# KiCad board data-center-rdimm-ddr4-tester.kicad_pcb (continued)
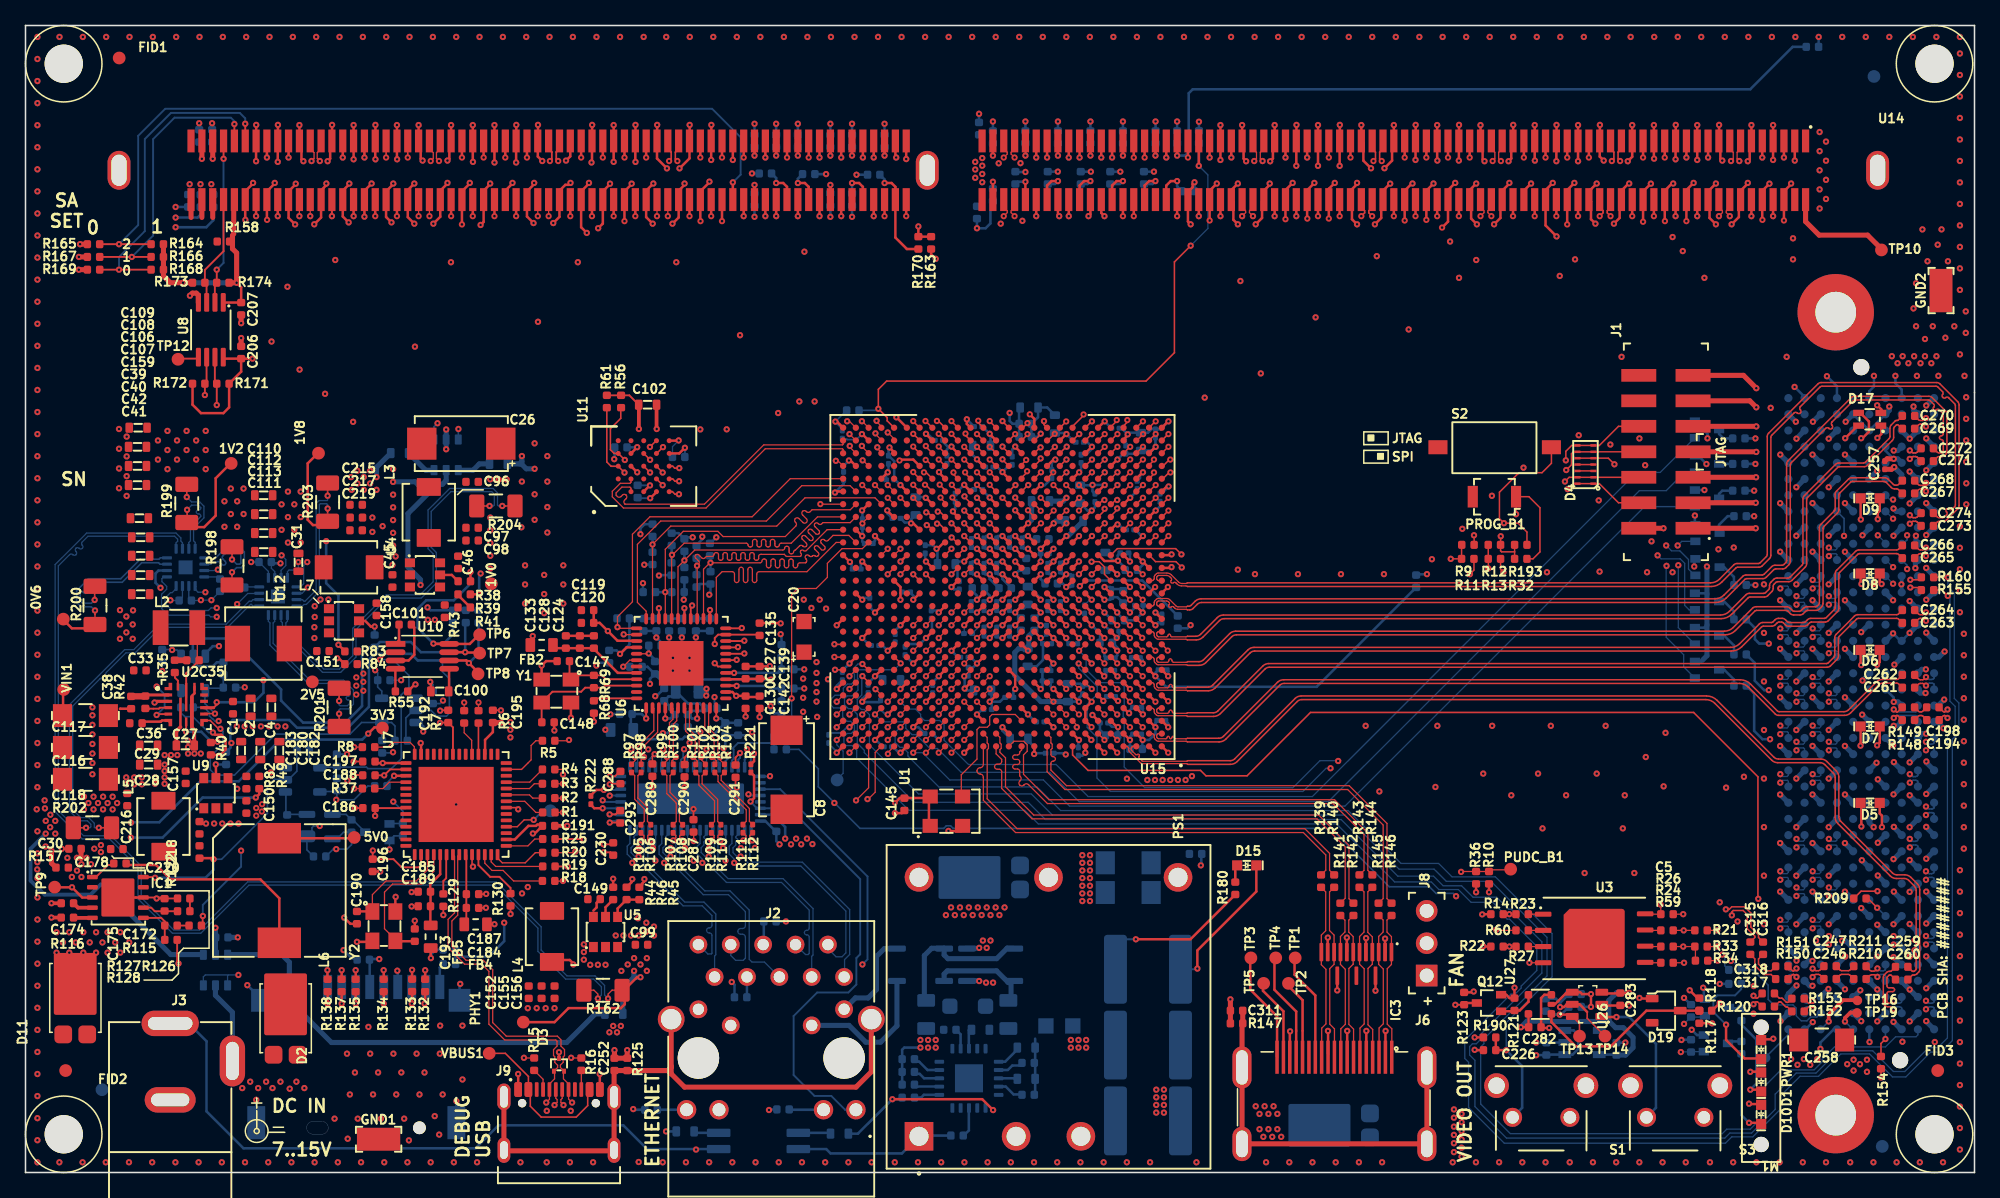
[diagram p0: board, top side]
## Routing (per net, layer and track width the routed paths; a pad name or vN(x,y) marks a point on that pad's centre or on a via; arc(x,y) is an arc through that point) (continued)
  In2.Cu w0.13: v1(149.08,23.63) 148.96,23.51 arc(148.89,23.47) 148.82,23.45 146.99,23.45 arc(146.8,23.49) 146.64,23.6 141.89,28.36 arc(141.67,28.5) 141.41,28.55 137.12,28.55 arc(136.93,28.59) 136.77,28.7 135.8,29.67 arc(135.69,29.83) 135.65,30.02 135.65,31.28 arc(135.6,31.54) 135.46,31.76 134.3,32.92 arc(134.19,33.08) 134.15,33.27 134.15,34.78 arc(134.1,35.04) 133.96,35.26 132.8,36.42 arc(132.69,36.58) 132.65,36.77 132.65,37.08 arc(132.6,37.34) 132.46,37.56 129.64,40.38 arc(129.42,40.53) 129.16,40.58 97.02,40.58 arc(96.76,40.53) 96.54,40.38 94.91,38.75 arc(94.75,38.64) 94.55,38.6 91.15,38.6
  Bottom w0.122: v1(149.08,23.63) 149.21,23.5 arc(149.27,23.46) 149.35,23.45 149.53,23.45 arc(149.6,23.46) 149.67,23.5 149.69,23.52 arc(149.71,23.55) 149.71,23.59 J5.A11
GTX_RX3_P: length 75.2
  Top w0.127: v2(86.64,38.94) U15.G4
  In2.Cu w0.082: v2(86.64,38.94) 86.9,38.94 arc(86.94,38.93) 86.97,38.91 87.02,38.86 arc(87.04,38.83) 87.05,38.79 87.05,38.69 arc(87.06,38.61) 87.11,38.55 87.23,38.42 arc(87.3,38.38) 87.37,38.37 88.14,38.37 arc(88.18,38.36) 88.21,38.34 88.43,38.12 arc(88.5,38.08) 88.57,38.06 89.91,38.06 arc(89.98,38.08) 90.04,38.12 90.26,38.34 arc(90.3,38.36) 90.33,38.37 90.99,38.37 arc(91.07,38.36) 91.14,38.31 91.15,38.3
  In2.Cu w0.13: v1(149.08,22.97) 148.96,23.09 arc(148.89,23.13) 148.82,23.15 146.94,23.15 arc(146.68,23.2) 146.46,23.35 141.71,28.1 arc(141.55,28.21) 141.35,28.25 137.07,28.25 arc(136.81,28.3) 136.59,28.44 135.54,29.49 arc(135.4,29.71) 135.35,29.97 135.35,31.23 arc(135.31,31.42) 135.2,31.58 134.04,32.74 arc(133.9,32.96) 133.85,33.22 133.85,34.73 arc(133.81,34.92) 133.7,35.08 132.54,36.24 arc(132.4,36.46) 132.35,36.72 132.35,37.03 arc(132.31,37.22) 132.2,37.38 129.46,40.13 arc(129.3,40.23) 129.1,40.27 97.07,40.27 arc(96.88,40.23) 96.72,40.13 95.09,38.49 arc(94.87,38.35) 94.61,38.3 91.15,38.3
  Bottom w0.122: v1(149.08,22.97) 149.21,23.1 arc(149.27,23.14) 149.35,23.16 149.54,23.16 arc(149.62,23.14) 149.69,23.1 arc(149.71,23.07) 149.71,23.03 J5.A10
GTX_RX4_N: length 72.9
  Top w0.127: v2(87.64,40.94) U15.J3
  In2.Cu w0.082: v2(87.64,40.94) 87.4,40.94 arc(87.36,40.93) 87.33,40.91 87.25,40.83 arc(87.23,40.8) 87.22,40.76 87.22,40.72 arc(87.23,40.68) 87.25,40.65 87.33,40.57 arc(87.36,40.55) 87.4,40.54 88.13,40.54 arc(88.2,40.53) 88.26,40.49 88.36,40.39 arc(88.39,40.37) 88.43,40.36 88.81,40.36 arc(88.92,40.4) 88.96,40.51 88.96,40.56 arc(89,40.67) 89.11,40.71 arc(89.22,40.67) 89.26,40.56 89.26,40.51 arc(89.3,40.4) 89.41,40.36 90.07,40.36 arc(90.11,40.37) 90.14,40.39 90.23,40.48 arc(90.3,40.52) 90.37,40.54 91,40.54 arc(91.08,40.55) 91.14,40.59 91.15,40.6
  In2.Cu w0.13: 91.15,40.6 93.78,40.6 arc(93.97,40.64) 94.13,40.75 95.06,41.68 arc(95.28,41.83) 95.54,41.88 130.28,41.88 arc(130.54,41.83) 130.76,41.68 133.96,38.49 arc(134.1,38.27) 134.15,38.01 134.15,37.27 arc(134.19,37.08) 134.3,36.92 135.46,35.76 arc(135.6,35.54) 135.65,35.28 135.65,34.1 arc(135.69,33.9) 135.8,33.74 137.02,32.52 arc(137.18,32.42) 137.37,32.38 142.33,32.38 arc(142.59,32.33) 142.81,32.18 146.31,28.68 arc(146.47,28.57) 146.66,28.53 148.82,28.53 arc(148.89,28.55) 148.96,28.59 v1(149.08,28.71)
  Bottom w0.122: 149.35,28.53 149.53,28.53 ; 149.35,28.53 arc(149.27,28.54) 149.21,28.58 ; 149.35,28.53 arc(149.27,28.54) 149.21,28.58 ; 149.53,28.53 arc(149.6,28.54) 149.67,28.58 ; 149.53,28.53 arc(149.6,28.54) 149.67,28.58 ; v1(149.08,28.71) 149.21,28.58 ; 149.67,28.58 149.69,28.6 ; 149.69,28.6 arc(149.71,28.63) 149.71,28.67 ; 149.69,28.6 arc(149.71,28.63) 149.71,28.67 ; 149.71,28.67 149.71,29.02
GTX_RX4_P: length 72.7
  Top w0.127: v2(86.64,40.94) U15.J4
  In2.Cu w0.082: 91.15,40.3 91.14,40.31 arc(91.08,40.35) 91,40.36 90.4,40.36 arc(90.36,40.36) 90.33,40.33 90.24,40.24 arc(90.18,40.2) 90.11,40.19 88.39,40.19 arc(88.32,40.2) 88.26,40.24 88.16,40.34 arc(88.13,40.36) 88.09,40.37 87.37,40.37 arc(87.3,40.38) 87.23,40.42 87.11,40.55 arc(87.06,40.61) 87.05,40.69 87.05,40.79 arc(87.04,40.83) 87.02,40.86 86.97,40.91 arc(86.94,40.93) 86.9,40.94 v2(86.64,40.94)
  In2.Cu w0.13: 91.15,40.3 93.83,40.3 arc(94.09,40.35) 94.31,40.49 95.24,41.43 arc(95.4,41.53) 95.6,41.57 130.23,41.57 arc(130.42,41.53) 130.58,41.43 133.7,38.31 arc(133.81,38.15) 133.85,37.95 133.85,37.14 arc(133.89,36.95) 133.99,36.79 135.2,35.58 arc(135.31,35.42) 135.35,35.23 135.35,34.04 arc(135.4,33.78) 135.54,33.56 136.84,32.27 arc(137.06,32.12) 137.32,32.07 142.28,32.07 arc(142.47,32.03) 142.63,31.93 146.13,28.43 arc(146.35,28.28) 146.61,28.23 148.82,28.23 arc(148.89,28.21) 148.96,28.17 v1(149.08,28.05)
  Bottom w0.122: 149.35,28.24 149.54,28.24 ; 149.35,28.24 arc(149.27,28.22) 149.21,28.18 ; 149.35,28.24 arc(149.27,28.22) 149.21,28.18 ; 149.54,28.24 arc(149.62,28.22) 149.69,28.18 ; 149.54,28.24 arc(149.62,28.22) 149.69,28.18 ; 149.71,28.11 J5.A14 ; 149.71,28.11 arc(149.71,28.15) 149.69,28.18 ; 149.71,28.11 arc(149.71,28.15) 149.69,28.18 ; v1(149.08,28.05) 149.21,28.18
GTX_RX5_N: length 70.5
  Top w0.127: v2(87.64,42.94) U15.L3
  In2.Cu w0.082: 91.15,42.5 91.14,42.49 arc(91.08,42.45) 91,42.44 89.56,42.44 arc(89.43,42.49) 89.38,42.61 89.38,42.63 arc(89.33,42.75) 89.21,42.8 arc(89.08,42.75) 89.03,42.63 89.03,42.61 arc(88.98,42.49) 88.86,42.44 88.45,42.44 arc(88.41,42.44) 88.38,42.47 88.36,42.49 arc(88.3,42.53) 88.23,42.54 87.4,42.54 arc(87.36,42.55) 87.33,42.57 87.25,42.65 arc(87.23,42.68) 87.22,42.72 87.22,42.76 arc(87.23,42.8) 87.25,42.83 87.33,42.91 arc(87.36,42.93) 87.4,42.94 v2(87.64,42.94)
  In2.Cu w0.13: 91.15,42.5 91.95,42.5 arc(91.98,42.51) 92.02,42.53 92.54,43.05 arc(92.62,43.11) 92.72,43.13 131.16,43.13 arc(131.42,43.08) 131.64,42.93 135.46,39.11 arc(135.6,38.89) 135.65,38.63 135.65,37.82 arc(135.69,37.63) 135.8,37.47 136.97,36.3 arc(137.13,36.19) 137.32,36.15 142.11,36.15 arc(142.37,36.1) 142.59,35.96 144.64,33.9 arc(144.72,33.78) 144.75,33.63 144.75,33.3 arc(144.77,33.22) 144.81,33.15 144.9,33.06 arc(144.97,33.02) 145.05,33 147.05,33 arc(147.13,33.02) 147.2,33.06 147.64,33.5 arc(147.76,33.59) 147.9,33.61 148.82,33.61 arc(148.89,33.63) 148.96,33.67 v1(149.08,33.79)
  Bottom w0.122: J5.A19 149.71,33.75 arc(149.71,33.71) 149.69,33.68 149.67,33.66 arc(149.6,33.62) 149.53,33.61 149.35,33.61 arc(149.27,33.62) 149.21,33.66 v1(149.08,33.79)
GTX_RX5_P: length 70.3
  Top w0.127: v2(86.64,42.94) U15.L4
  In2.Cu w0.082: 91.15,42.2 91.14,42.21 arc(91.08,42.25) 91,42.26 88.42,42.26 arc(88.35,42.28) 88.28,42.32 88.26,42.34 arc(88.23,42.36) 88.19,42.37 87.37,42.37 arc(87.3,42.38) 87.23,42.42 87.11,42.55 arc(87.06,42.61) 87.05,42.69 87.05,42.79 arc(87.04,42.83) 87.02,42.86 86.97,42.91 arc(86.94,42.93) 86.9,42.94 v2(86.64,42.94)
  In2.Cu w0.13: v1(149.08,33.13) 148.96,33.25 arc(148.89,33.29) 148.82,33.31 147.96,33.31 arc(147.88,33.29) 147.82,33.25 147.37,32.81 arc(147.25,32.73) 147.11,32.7 144.99,32.7 arc(144.85,32.73) 144.73,32.81 144.56,32.98 arc(144.48,33.1) 144.45,33.24 144.45,33.58 arc(144.43,33.66) 144.39,33.72 142.41,35.7 arc(142.25,35.81) 142.05,35.85 137.27,35.85 arc(137.01,35.9) 136.79,36.04 135.54,37.29 arc(135.4,37.51) 135.35,37.77 135.35,38.58 arc(135.31,38.77) 135.2,38.93 131.46,42.68 arc(131.3,42.78) 131.1,42.82 92.77,42.82 arc(92.74,42.82) 92.72,42.8 92.19,42.28 arc(92.1,42.22) 92,42.2 91.15,42.2
  Bottom w0.122: v1(149.08,33.13) 149.21,33.26 arc(149.27,33.3) 149.35,33.32 149.54,33.32 arc(149.62,33.3) 149.69,33.26 arc(149.71,33.23) 149.71,33.19 J5.A18
GTX_RX6_N: length 76.8
  Top w0.127: v2(87.64,44.94) U15.N3
  In2.Cu w0.082: 91.18,45.27 91.17,45.28 arc(91.11,45.32) 91.03,45.34 88.76,45.34 arc(88.69,45.31) 88.66,45.24 88.66,45.22 arc(88.63,45.15) 88.56,45.12 arc(88.49,45.15) 88.46,45.22 88.46,45.24 arc(88.43,45.31) 88.36,45.34 arc(88.29,45.31) 88.26,45.24 88.26,45.22 arc(88.23,45.15) 88.16,45.12 arc(88.09,45.15) 88.06,45.22 88.06,45.24 arc(88.03,45.31) 87.96,45.34 87.4,45.34 arc(87.36,45.33) 87.33,45.31 87.25,45.23 arc(87.23,45.2) 87.22,45.16 87.22,45.12 arc(87.23,45.08) 87.25,45.05 87.33,44.97 arc(87.36,44.95) 87.4,44.94 v2(87.64,44.94)
  In2.Cu w0.13: 91.18,45.27 91.83,45.27 arc(91.9,45.26) 91.97,45.22 92.88,44.3 arc(93.1,44.16) 93.36,44.11 131.95,44.11 arc(132.14,44.07) 132.3,43.96 136.41,39.84 arc(136.63,39.7) 136.89,39.65 142.71,39.65 arc(142.79,39.63) 142.86,39.59 143.27,39.18 arc(143.39,39.1) 143.53,39.07 144.9,39.07 arc(144.98,39.05) 145.05,39.01 145.89,38.16 arc(145.96,38) 145.89,37.85 145.88,37.84 arc(145.82,37.68) 145.88,37.52 arc(146.04,37.45) 146.2,37.52 146.21,37.53 arc(146.37,37.59) 146.53,37.53 146.85,37.21 arc(146.97,37.13) 147.11,37.1 148.45,37.1 arc(148.53,37.08) 148.6,37.04 148.78,36.86 arc(148.84,36.81) 148.92,36.8 149.32,36.8 arc(149.4,36.78) 149.47,36.74 149.61,36.59 arc(149.66,36.53) 149.67,36.45 149.67,31.8 arc(149.66,31.74) 149.63,31.69 149.53,31.59 arc(149.42,31.55) 149.31,31.59 arc(149.21,31.64) 149.1,31.59 149.07,31.56 arc(149.02,31.45) 149.07,31.35 arc(149.11,31.24) 149.07,31.13 149.05,31.12 arc(149,31.09) 148.95,31.08 148.05,31.08 arc(147.99,31.09) 147.95,31.12 v1(147.81,31.25)
  Bottom w0.122: v1(147.81,31.25) 147.94,31.12 arc(148,31.08) 148.08,31.07 148.26,31.07 arc(148.33,31.08) 148.4,31.12 148.42,31.14 arc(148.44,31.17) 148.44,31.21 148.44,31.56
GTX_RX6_P: length 76.7
  Top w0.127: v2(86.64,44.94) U15.N4
  In2.Cu w0.082: v2(86.64,44.94) 86.9,44.94 arc(86.94,44.95) 86.97,44.97 87.02,45.02 arc(87.04,45.05) 87.05,45.09 87.05,45.19 arc(87.06,45.27) 87.11,45.33 87.23,45.46 arc(87.3,45.5) 87.37,45.51 91.03,45.51 arc(91.1,45.53) 91.17,45.57 91.18,45.58
  In2.Cu w0.13: 91.18,45.58 91.88,45.58 arc(92.02,45.55) 92.15,45.47 93.06,44.56 arc(93.22,44.45) 93.41,44.41 132,44.41 arc(132.26,44.36) 132.48,44.21 136.59,40.1 arc(136.75,39.99) 136.95,39.95 142.77,39.95 arc(142.91,39.92) 143.03,39.84 143.44,39.43 arc(143.51,39.39) 143.59,39.37 145.03,39.37 arc(145.11,39.36) 145.17,39.31 147.02,37.46 arc(147.09,37.42) 147.17,37.4 148.51,37.4 arc(148.65,37.37) 148.77,37.29 148.9,37.16 arc(148.97,37.12) 149.05,37.1 149.38,37.1 arc(149.52,37.07) 149.64,36.99 149.87,36.77 arc(149.95,36.65) 149.98,36.5 149.98,31.75 arc(149.95,31.62) 149.88,31.52 149.23,30.86 arc(149.13,30.79) 149,30.77 148.05,30.77 arc(147.99,30.76) 147.95,30.73 v1(147.81,30.59)
  Bottom w0.122: 148.44,30.28 148.44,30.65 arc(148.44,30.69) 148.42,30.72 arc(148.35,30.76) 148.27,30.78 148.08,30.78 arc(148,30.76) 147.94,30.72 v1(147.81,30.59)
GTX_RX7_N: length 86.7
  Top w0.127: v2(87.64,46.94) U15.R3
  In2.Cu w0.082: v2(87.64,46.94) 87.4,46.94 arc(87.36,46.95) 87.33,46.97 87.25,47.05 arc(87.23,47.08) 87.22,47.12 87.22,47.16 arc(87.23,47.2) 87.25,47.23 87.33,47.31 arc(87.36,47.33) 87.4,47.34 87.9,47.34 arc(88.01,47.3) 88.05,47.19 88.05,47.17 arc(88.09,47.06) 88.2,47.02 arc(88.31,47.06) 88.35,47.17 88.35,47.19 arc(88.39,47.3) 88.5,47.34 88.55,47.34 arc(88.59,47.33) 88.62,47.31 89.12,46.81 arc(89.18,46.77) 89.25,46.76 91.01,46.76 arc(91.08,46.74) 91.15,46.7 91.15,46.7
  In2.Cu w0.13: 91.15,46.7 93.68,46.7 arc(93.87,46.66) 94.03,46.55 95.04,45.54 arc(95.26,45.4) 95.52,45.35 132.7,45.35 arc(132.9,45.31) 133.06,45.2 134.59,43.67 arc(134.81,43.52) 135.07,43.47 143.43,43.47 arc(143.62,43.43) 143.78,43.33 145.81,41.29 arc(146.03,41.15) 146.29,41.1 148.07,41.1 arc(148.21,41.04) 148.27,40.9 148.27,40.88 arc(148.33,40.74) 148.47,40.68 arc(148.61,40.74) 148.67,40.88 148.67,40.9 arc(148.73,41.04) 148.87,41.1 149,41.1 arc(149.06,41.09) 149.12,41.07 149.12,41.07 150.08,40.11 arc(150.14,40.01) 150.17,39.9 150.17,38.54 arc(150.2,38.36) 150.31,38.21 151.13,37.38 arc(151.19,37.29) 151.22,37.17 151.22,34.77 arc(151.19,34.65) 151.13,34.56 150.97,34.39 arc(150.86,34.24) 150.83,34.06 150.83,30.84 arc(150.8,30.72) 150.74,30.63 150.39,30.27 arc(150.28,30.12) 150.25,29.94 150.25,27.33 arc(150.19,27.19) 150.05,27.13 150.03,27.13 arc(149.88,27.07) 149.83,26.93 arc(149.88,26.79) 150.03,26.73 150.05,26.73 arc(150.19,26.67) 150.25,26.53 150.25,26.32 arc(150.23,26.24) 150.19,26.18 150.06,26.05 arc(150,26.01) 149.92,26 148.07,26 arc(148,26.01) 147.93,26.05 v1(147.81,26.17)
  Bottom w0.122: v1(147.81,26.17) 147.94,26.04 arc(148,26) 148.08,25.99 148.26,25.99 arc(148.33,26) 148.4,26.04 148.42,26.06 arc(148.44,26.09) 148.44,26.13 148.44,26.47
GTX_RX7_P: length 86.6
  Top w0.127: v2(86.64,46.94) U15.R4
  In2.Cu w0.082: v2(86.64,46.94) 86.9,46.94 arc(86.94,46.95) 86.97,46.97 87.02,47.02 arc(87.04,47.05) 87.05,47.09 87.05,47.19 arc(87.06,47.27) 87.11,47.33 87.23,47.46 arc(87.3,47.5) 87.37,47.51 88.58,47.51 arc(88.65,47.5) 88.72,47.46 89.21,46.96 arc(89.25,46.94) 89.28,46.93 90.99,46.93 arc(91.07,46.94) 91.14,46.99 91.15,47
  In2.Cu w0.13: 91.15,47 93.73,47 arc(93.99,46.95) 94.21,46.81 95.22,45.8 arc(95.38,45.69) 95.57,45.65 132.76,45.65 arc(133.02,45.6) 133.24,45.46 134.77,43.92 arc(134.93,43.82) 135.12,43.78 143.48,43.78 arc(143.74,43.73) 143.96,43.58 145.99,41.55 arc(146.15,41.44) 146.35,41.4 149.06,41.4 arc(149.18,41.38) 149.29,41.33 149.29,41.33 150.33,40.29 arc(150.44,40.13) 150.47,39.95 150.47,38.6 arc(150.5,38.48) 150.56,38.39 151.38,37.56 arc(151.49,37.41) 151.52,37.23 151.52,34.71 arc(151.49,34.53) 151.38,34.38 151.22,34.21 arc(151.16,34.12) 151.13,34 151.13,30.78 arc(151.1,30.6) 150.99,30.45 150.64,30.09 arc(150.58,30) 150.55,29.88 150.55,26.27 arc(150.52,26.12) 150.44,26 150.24,25.8 arc(150.12,25.72) 149.97,25.69 148.07,25.69 arc(148,25.67) 147.93,25.63 v1(147.81,25.51)
  Bottom w0.122: v1(147.81,25.51) 147.94,25.64 arc(148,25.68) 148.08,25.7 148.27,25.7 arc(148.35,25.68) 148.42,25.64 arc(148.44,25.61) 148.44,25.57 148.44,25.2
GTX_TX0_N: length 81
  Top w0.1: 91.16,32.31 91.15,32.3 arc(91.12,32.28) 91.08,32.27 87.65,32.27 arc(87.61,32.28) 87.58,32.3 87.35,32.53 arc(87.32,32.59) 87.35,32.66 87.35,32.66 arc(87.38,32.73) 87.35,32.8 arc(87.29,32.83) 87.22,32.8 87.22,32.8 arc(87.15,32.77) 87.08,32.8 86.76,33.12 arc(86.74,33.15) 86.73,33.19 86.73,33.29 arc(86.74,33.32) 86.76,33.36 86.81,33.41 arc(86.85,33.43) 86.89,33.44 U15.A3
  Top w0.122: 91.16,32.31 94.5,32.31 arc(94.69,32.35) 94.86,32.46 99.6,37.2 arc(99.81,37.34) 100.07,37.39 131.86,37.39 arc(132.31,37.3) 132.69,37.05 137.15,32.59 arc(137.31,32.48) 137.5,32.44 140.83,32.44 arc(141.09,32.39) 141.3,32.25 142.05,31.5 arc(142.19,31.29) 142.24,31.03 142.24,27.92 arc(142.28,27.73) 142.39,27.56 146.45,23.5 arc(146.61,23.39) 146.8,23.36 147.42,23.36 arc(147.68,23.31) 147.89,23.16 148.4,22.65 arc(148.54,22.44) 148.59,22.18 148.59,15.93 arc(148.57,15.82) 148.52,15.74 148.35,15.57 arc(148.27,15.52) 148.16,15.5 148.06,15.5 arc(148.02,15.49) 147.99,15.47 C260.2
GTX_TX0_P: length 80.9
  Top w0.1: 91.16,32.03 91.14,32.05 arc(91.11,32.07) 91.07,32.08 87.61,32.08 arc(87.54,32.09) 87.47,32.14 86.6,33.01 arc(86.56,33.08) 86.54,33.15 86.54,33.27 arc(86.53,33.31) 86.51,33.34 86.45,33.41 arc(86.41,33.43) 86.37,33.44 U15.A4
  Top w0.122: 91.16,32.03 94.51,32.03 arc(94.81,32.08) 95.05,32.25 99.76,36.96 arc(99.93,37.07) 100.12,37.11 131.81,37.11 arc(132.19,37.03) 132.52,36.81 136.98,32.35 arc(137.2,32.21) 137.45,32.16 140.78,32.16 arc(140.97,32.12) 141.14,32.01 141.81,31.34 arc(141.92,31.17) 141.96,30.98 141.96,27.87 arc(142.01,27.61) 142.15,27.4 146.28,23.26 arc(146.5,23.12) 146.75,23.07 147.37,23.07 arc(147.56,23.03) 147.72,22.92 148.16,22.49 arc(148.27,22.32) 148.31,22.13 148.31,18.54 arc(148.26,18.43) 148.16,18.39 148.15,18.39 arc(148.05,18.34) 148,18.24 arc(148.05,18.13) 148.15,18.09 148.16,18.09 arc(148.26,18.04) 148.31,17.94 148.31,17.77 arc(148.26,17.66) 148.16,17.62 arc(148.05,17.57) 148.01,17.47 148.01,17.42 arc(148.05,17.31) 148.16,17.27 arc(148.26,17.22) 148.31,17.12 148.31,15.98 arc(148.3,15.94) 148.28,15.91 148.18,15.81 arc(148.15,15.79) 148.11,15.78 148.06,15.78 arc(148.02,15.79) 147.99,15.81 C259.2
GTX_TX1_N: length 63.6
  Top w0.1: 91.14,34.07 91.13,34.06 arc(91.1,34.04) 91.06,34.03 90.21,34.03 arc(90.14,34.06) 90.12,34.13 90.12,34.13 arc(90.09,34.2) 90.02,34.23 arc(89.95,34.2) 89.93,34.13 89.93,34.13 arc(89.9,34.06) 89.83,34.03 arc(89.76,34.06) 89.74,34.13 89.74,34.13 arc(89.71,34.2) 89.64,34.23 arc(89.57,34.2) 89.55,34.13 89.55,34.13 arc(89.52,34.06) 89.45,34.03 88.89,34.03 arc(88.85,34.04) 88.82,34.06 88.76,34.12 arc(88.74,34.15) 88.73,34.19 88.73,34.29 arc(88.74,34.32) 88.76,34.36 88.81,34.41 arc(88.85,34.43) 88.89,34.44 U15.B1
  Top w0.122: 91.14,34.07 93.61,34.07 arc(93.8,34.11) 93.97,34.22 98.22,38.47 arc(98.43,38.61) 98.69,38.66 134.49,38.66 arc(134.94,38.57) 135.32,38.32 137.42,36.22 arc(137.49,36.17) 137.56,36.16 142.65,36.16 arc(142.84,36.2) 143,36.3 145.19,38.49 arc(145.41,38.64) 145.66,38.69 146.79,38.69 arc(146.86,38.7) 146.93,38.75 147.22,39.05
GTX_TX1_P: length 63.4
  Top w0.1: U15.B2 88.37,34.44 arc(88.41,34.43) 88.45,34.41 88.51,34.34 arc(88.53,34.31) 88.54,34.27 88.54,34.15 arc(88.56,34.08) 88.6,34.01 88.71,33.9 arc(88.77,33.86) 88.85,33.84 91.04,33.84 arc(91.08,33.83) 91.11,33.81 91.14,33.79
  Top w0.122: 147.22,38.05 146.93,38.34 arc(146.86,38.39) 146.79,38.4 145.71,38.4 arc(145.52,38.36) 145.36,38.26 143.17,36.07 arc(142.95,35.92) 142.7,35.87 137.51,35.87 arc(137.37,35.9) 137.25,35.98 135.15,38.08 arc(134.82,38.3) 134.44,38.38 98.74,38.38 arc(98.55,38.34) 98.38,38.23 94.16,34.01 arc(93.92,33.84) 93.62,33.79 91.14,33.79
GTX_TX2_N: length 63.6
  Top w0.1: 91.15,36.07 91.14,36.06 arc(91.11,36.04) 91.07,36.03 90.08,36.03 arc(89.99,36.07) 89.96,36.16 89.96,36.16 arc(89.92,36.25) 89.83,36.28 arc(89.74,36.25) 89.71,36.16 89.71,36.16 arc(89.67,36.07) 89.58,36.03 88.89,36.03 arc(88.85,36.04) 88.82,36.06 88.76,36.12 arc(88.74,36.15) 88.73,36.19 88.73,36.29 arc(88.74,36.32) 88.76,36.36 88.81,36.41 arc(88.85,36.43) 88.89,36.44 U15.D1
  Top w0.122: 91.15,36.07 93.18,36.07 arc(93.37,36.11) 93.54,36.22 97.06,39.74 arc(97.27,39.88) 97.53,39.93 141.28,39.93 arc(141.35,39.95) 141.42,39.99 141.87,40.44 arc(141.91,40.51) 141.93,40.58 141.93,41.97 arc(141.95,42.11) 142.03,42.23 143.47,43.66 arc(143.59,43.74) 143.73,43.77 146.79,43.77 arc(146.86,43.78) 146.93,43.83 147.22,44.12
GTX_TX2_P: length 63.6
  Top w0.1: U15.D2 88.37,36.44 arc(88.41,36.43) 88.45,36.41 88.51,36.34 arc(88.53,36.31) 88.54,36.27 88.54,36.15 arc(88.56,36.08) 88.6,36.01 88.71,35.9 arc(88.77,35.86) 88.85,35.84 91.05,35.84 arc(91.09,35.83) 91.12,35.81 91.15,35.79
  Top w0.122: 147.22,43.12 146.93,43.42 arc(146.86,43.47) 146.79,43.48 143.78,43.48 arc(143.7,43.47) 143.64,43.42 142.27,42.06 arc(142.23,41.99) 142.21,41.92 142.21,40.53 arc(142.19,40.39) 142.11,40.27 141.59,39.75 arc(141.47,39.67) 141.33,39.65 97.58,39.65 arc(97.39,39.61) 97.22,39.5 93.73,36.01 arc(93.49,35.84) 93.19,35.79 91.15,35.79
GTX_TX3_N: length 65.8
  Top w0.1: 91.15,38.08 91.14,38.08 arc(91.09,38.04) 91.04,38.03 90.08,38.03 arc(89.99,38.07) 89.96,38.16 89.96,38.17 arc(89.92,38.26) 89.83,38.3 arc(89.74,38.26) 89.71,38.17 89.71,38.16 arc(89.67,38.07) 89.58,38.03 88.89,38.03 arc(88.85,38.04) 88.82,38.06 88.76,38.12 arc(88.74,38.15) 88.73,38.19 88.73,38.29 arc(88.74,38.32) 88.76,38.36 88.81,38.41 arc(88.85,38.43) 88.89,38.44 U15.F1
  Top w0.122: 147.22,49.2 146.93,48.91 arc(146.86,48.86) 146.79,48.85 143.82,48.85 arc(143.68,48.82) 143.56,48.74 142.06,47.25 arc(141.98,47.13) 141.96,46.99 141.96,44.32 arc(141.94,44.24) 141.9,44.18 141.26,43.54 arc(141.19,43.5) 141.12,43.48 140.04,43.48 arc(139.9,43.45) 139.79,43.37 139.62,43.21 arc(139.56,43.17) 139.48,43.15 138.36,43.15 arc(138.28,43.17) 138.22,43.21 138.05,43.37 arc(137.94,43.45) 137.8,43.48 137.5,43.48 arc(137.36,43.45) 137.25,43.37 137.09,43.21 arc(137.02,43.17) 136.94,43.16 136.27,43.16 arc(136.13,43.13) 136.02,43.05 134.46,41.5 arc(134.14,41.28) 133.76,41.2 96.37,41.2 arc(96.11,41.15) 95.9,41.01 93.12,38.23 arc(92.95,38.12) 92.76,38.08 91.15,38.08
GTX_TX3_P: length 65.8
  Top w0.1: U15.F2 88.37,38.44 arc(88.41,38.43) 88.45,38.41 88.51,38.34 arc(88.53,38.31) 88.54,38.27 88.54,38.15 arc(88.56,38.08) 88.6,38.01 88.71,37.9 arc(88.77,37.86) 88.85,37.84 91.04,37.84 arc(91.1,37.83) 91.15,37.8 91.15,37.8
  Top w0.122: 91.15,37.8 92.77,37.8 arc(93.07,37.85) 93.31,38.02 96.06,40.77 arc(96.23,40.88) 96.42,40.92 133.81,40.92 arc(134.25,41.01) 134.63,41.26 136.18,42.81 arc(136.25,42.85) 136.32,42.87 137,42.87 arc(137.13,42.9) 137.25,42.97 137.41,43.13 arc(137.48,43.18) 137.55,43.19 137.75,43.19 arc(137.82,43.18) 137.89,43.13 138.05,42.97 arc(138.17,42.89) 138.31,42.86 139.53,42.86 arc(139.67,42.89) 139.79,42.97 139.95,43.13 arc(140.02,43.18) 140.09,43.19 141.17,43.19 arc(141.31,43.22) 141.42,43.3 142.14,44.01 arc(142.22,44.13) 142.24,44.27 142.24,46.94 arc(142.26,47.01) 142.3,47.08 143.73,48.5 arc(143.79,48.55) 143.87,48.56 146.79,48.56 arc(146.86,48.55) 146.93,48.5 147.22,48.2
GTX_TX4_N: length 70.3
  Top w0.1: U15.H1 88.89,40.44 arc(88.85,40.43) 88.81,40.41 88.76,40.36 arc(88.74,40.32) 88.73,40.29 88.73,40.19 arc(88.74,40.15) 88.76,40.12 88.82,40.06 arc(88.85,40.04) 88.89,40.03 89.56,40.03 arc(89.65,40.07) 89.68,40.16 89.68,40.18 arc(89.72,40.27) 89.81,40.31 arc(89.9,40.27) 89.93,40.18 89.93,40.16 arc(89.97,40.07) 90.06,40.03 91.04,40.03 arc(91.1,40.04) 91.15,40.08 91.16,40.08
  Top w0.122: 91.16,40.08 92.05,40.08 arc(92.24,40.12) 92.41,40.23 94.46,42.28 arc(94.67,42.42) 94.93,42.47 133.26,42.47 arc(133.64,42.55) 133.96,42.77 135.48,44.29 arc(135.6,44.37) 135.74,44.39 138.16,44.39 arc(138.3,44.37) 138.42,44.29 138.61,44.09 arc(138.68,44.05) 138.75,44.03 139.15,44.03 arc(139.22,44.05) 139.29,44.09 139.48,44.29 arc(139.6,44.37) 139.74,44.39 140.41,44.39 arc(140.48,44.41) 140.55,44.45 140.66,44.56 arc(140.7,44.63) 140.72,44.7 140.72,50.59 arc(140.74,50.73) 140.82,50.85 141.9,51.92 arc(141.94,51.99) 141.96,52.06 141.96,53.21 arc(141.98,53.35) 142.06,53.47 143,54.41 arc(143.12,54.49) 143.26,54.51 145.85,54.51 arc(145.99,54.49) 146.11,54.41 146.53,53.99 arc(146.59,53.94) 146.67,53.93 146.79,53.93 arc(146.86,53.94) 146.93,53.99 147.22,54.28
GTX_TX4_P: length 70.3
  Top w0.1: U15.H2 88.37,40.44 arc(88.41,40.43) 88.45,40.41 88.51,40.34 arc(88.53,40.31) 88.54,40.27 88.54,40.15 arc(88.56,40.08) 88.6,40.01 88.71,39.9 arc(88.77,39.86) 88.85,39.84 91.05,39.84 arc(91.11,39.83) 91.15,39.8 91.16,39.8
  Top w0.122: 91.16,39.8 92.06,39.8 arc(92.35,39.85) 92.6,40.02 94.62,42.04 arc(94.79,42.15) 94.98,42.19 133.31,42.19 arc(133.75,42.28) 134.13,42.53 135.65,44.05 arc(135.72,44.09) 135.79,44.11 138.11,44.11 arc(138.18,44.09) 138.25,44.05 138.44,43.85 arc(138.56,43.77) 138.7,43.75 139.2,43.75 arc(139.34,43.77) 139.46,43.85 139.65,44.05 arc(139.72,44.09) 139.79,44.11 140.46,44.11 arc(140.6,44.13) 140.72,44.21 140.9,44.39 arc(140.98,44.51) 141,44.65 141,50.54 arc(141.02,50.61) 141.06,50.68 142.14,51.75 arc(142.22,51.87) 142.24,52.01 142.24,53.16 arc(142.26,53.23) 142.3,53.3 143.17,54.17 arc(143.24,54.21) 143.31,54.23 145.8,54.23 arc(145.87,54.21) 145.94,54.17 146.36,53.75 arc(146.48,53.67) 146.62,53.64 146.79,53.64 arc(146.86,53.63) 146.93,53.58 147.22,53.28
GTX_TX5_N: length 70.2
  Top w0.1: U15.K1 88.89,42.44 arc(88.85,42.43) 88.81,42.41 88.76,42.36 arc(88.74,42.32) 88.73,42.29 88.73,42.19 arc(88.74,42.15) 88.76,42.12 88.82,42.06 arc(88.85,42.04) 88.89,42.03 89.52,42.03 arc(89.59,42.06) 89.62,42.13 89.62,42.14 arc(89.65,42.21) 89.72,42.24 arc(89.79,42.21) 89.82,42.14 89.82,42.13 arc(89.85,42.06) 89.92,42.03 91.03,42.03 arc(91.09,42.04) 91.14,42.08
  Top w0.122: 147.22,59.36 146.9,59.04 arc(146.87,59.02) 146.83,59.01 146.75,59.01 arc(146.71,59) 146.68,58.98 146.36,58.67 arc(146.28,58.55) 146.26,58.41 146.26,57.74 arc(146.24,57.67) 146.2,57.6 144.32,55.73 arc(144.26,55.68) 144.18,55.67 142.24,55.67 arc(142.1,55.64) 141.98,55.56 139.54,53.12 arc(139.46,53) 139.43,52.86 139.43,47.82 arc(139.42,47.74) 139.37,47.68 138.4,46.7 arc(138.33,46.66) 138.26,46.64 137.39,46.64 arc(137.25,46.62) 137.13,46.54 136.91,46.32 arc(136.83,46.2) 136.81,46.06 136.81,45.89 arc(136.79,45.82) 136.75,45.75 136.5,45.5 arc(136.43,45.46) 136.36,45.44 135.22,45.44 arc(135.08,45.42) 134.96,45.34 133.66,44.04 arc(133.34,43.82) 132.96,43.74 93.97,43.74 arc(93.71,43.69) 93.5,43.55 92.17,42.22 arc(92.01,42.11) 91.82,42.08 91.14,42.08
GTX_TX5_P: length 70.2
  Top w0.1: 91.14,41.79 91.13,41.8 arc(91.08,41.83) 91.03,41.84 88.85,41.84 arc(88.77,41.86) 88.71,41.9 88.6,42.01 arc(88.56,42.08) 88.54,42.15 88.54,42.27 arc(88.53,42.31) 88.51,42.34 88.45,42.41 arc(88.41,42.43) 88.37,42.44 U15.K2
  Top w0.122: 91.14,41.79 91.83,41.79 arc(92.12,41.85) 92.37,42.01 93.66,43.31 arc(93.83,43.42) 94.02,43.46 133.01,43.46 arc(133.45,43.55) 133.83,43.8 135.13,45.1 arc(135.2,45.14) 135.27,45.16 136.41,45.16 arc(136.55,45.18) 136.67,45.26 136.99,45.58 arc(137.07,45.7) 137.09,45.84 137.09,46.01 arc(137.11,46.08) 137.15,46.15 137.3,46.3 arc(137.37,46.34) 137.44,46.36 138.31,46.36 arc(138.45,46.38) 138.57,46.46 139.61,47.51 arc(139.69,47.63) 139.72,47.77 139.72,52.81 arc(139.73,52.88) 139.78,52.95 142.15,55.32 arc(142.22,55.37) 142.29,55.38 144.23,55.38 arc(144.37,55.41) 144.49,55.49 146.44,57.43 arc(146.52,57.55) 146.54,57.69 146.54,58.36 arc(146.56,58.43) 146.6,58.5 146.75,58.65 arc(146.82,58.68) 146.9,58.65 147.18,58.36 147.22,58.36
